# Altium PCB display.PcbDoc (part 5 of 5)
Units mm, origin at the board's own origin, x right, y up, seen from the top; angles counter-clockwise.
Board outline 150 x 85 mm, 4 copper layers (Component Side, Inner, GND1, Bottom Layer), stack 1.669 mm thick; 347 components, 347 nets, 1334 pads, 795 vias.
Unrouted connection lines stored in the file: 15.
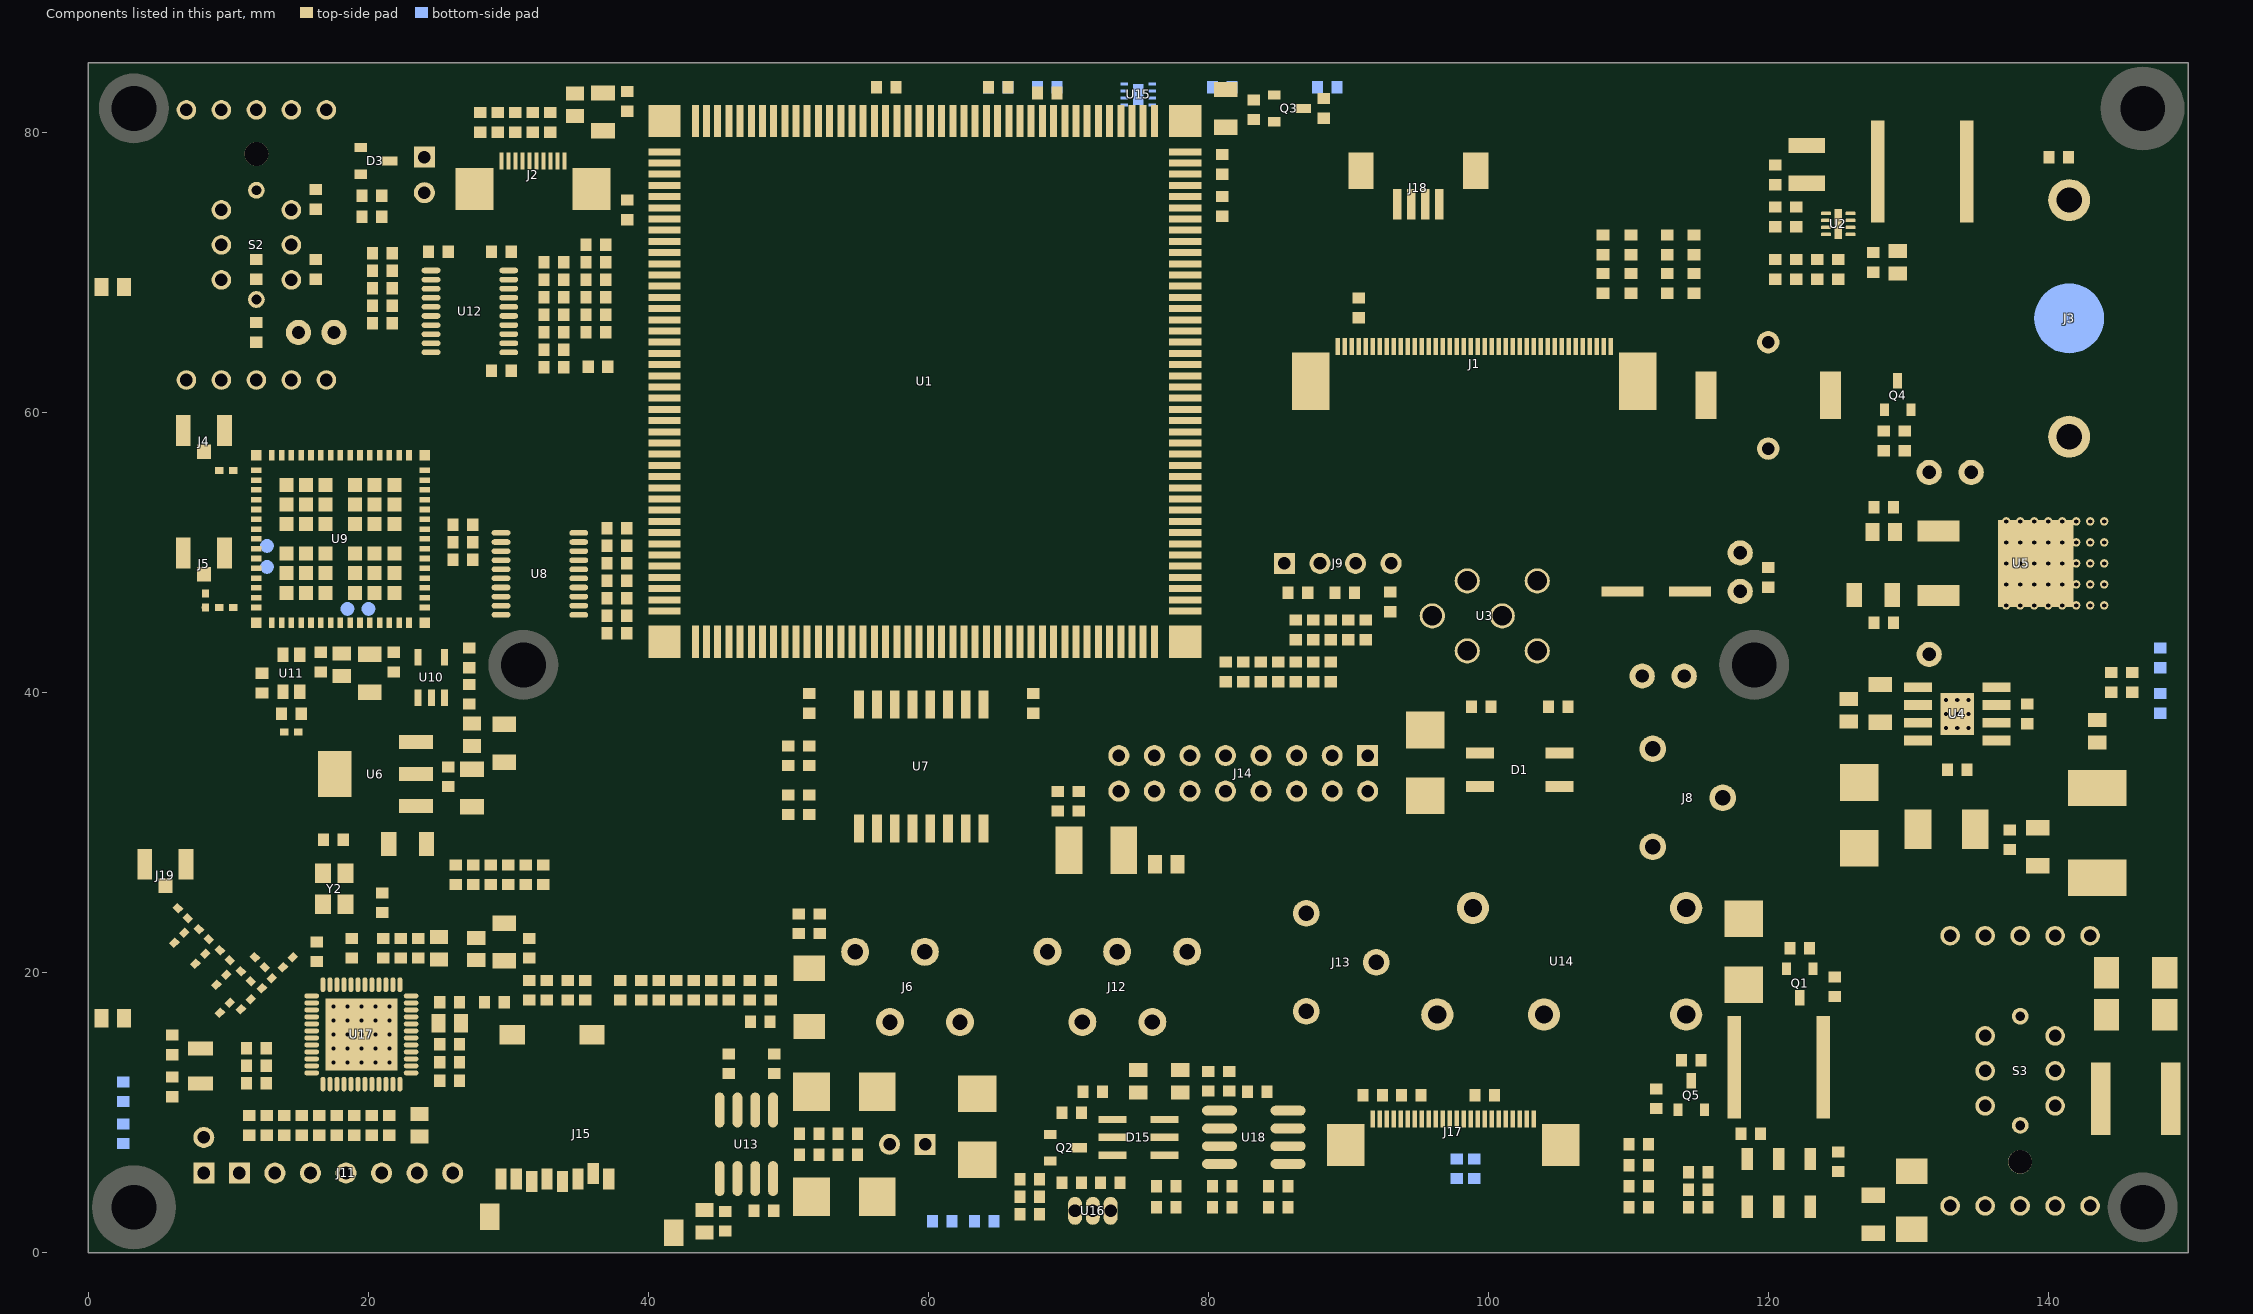
[diagram p7: the components of this part, seen from the top]

## Silkscreen, mask and mechanical layers (free items; w line width, h text height) (continued)
PCB_Note:
  drawing of 3970 lines, arcs and shapes, not listed
  text "Layer" at 165.921,159 h3
  text "Name" at 179.077,159 h3
  text "Material" at 204.997,159 h3
  text "Thickness" at 228.911,159 h3
  text "Constant" at 246.727,159 h3
  text "Board Layer Stack" at 264.324,159 h3
  text "Board Layer Stack" at 294.376,159 h3
  text "1" at 165.921,153 h3
  text "Top Overlay" at 179.077,153 h3
  text "2" at 165.921,147 h3
  text "Top Solder" at 179.077,147 h3
  text "Solder Resist" at 204.997,147 h3
  text "0,010mm" at 228.911,147 h3
  text "3,5" at 246.727,147 h3
  text "3" at 165.921,141 h3
  text "Component Side" at 179.077,141 h3
  text "Copper" at 204.997,141 h3
  text "0,036mm" at 228.911,141 h3
  text "4" at 165.921,135 h3
  text "Dielectric 1" at 179.077,135 h3
  text "IT180A 2x7628" at 204.997,135 h3
  text "0,408mm" at 228.911,135 h3
  text "4,2" at 246.727,135 h3
  text "5" at 165.921,129 h3
  text "Inner" at 179.077,129 h3
  text "Copper" at 204.997,129 h3
  text "0,036mm" at 228.911,129 h3
  text "6" at 165.921,123 h3
  text "Dielectric 4" at 179.077,123 h3
  text "IT180A FR-4" at 204.997,123 h3
  text "0,710mm" at 228.911,123 h3
  text "4,2" at 246.727,123 h3
  text "7" at 165.921,117 h3
  text "GND1" at 179.077,117 h3
  text "Copper" at 204.997,117 h3
  text "0,036mm" at 228.911,117 h3
  text "8" at 165.921,111 h3
  text "Dielectric 5" at 179.077,111 h3
  text "IT180A 2x7628" at 204.997,111 h3
  text "0,408mm" at 228.911,111 h3
  text "4,2" at 246.727,111 h3
  text "9" at 165.921,105 h3
  text "Bottom Layer" at 179.077,105 h3
  text "Copper" at 204.997,105 h3
  text "0,036mm" at 228.911,105 h3
  text "10" at 165.921,99 h3
  text "Solder Side" at 179.077,99 h3
  text "Solder Resist" at 204.997,99 h3
  text "0,010mm" at 228.911,99 h3
  text "3,5" at 246.727,99 h3
  text "11" at 165.921,93 h3
  text "Bottom Overlay" at 179.077,93 h3
  text "Impedance control:" at 163.2,91.2 h5
  text "* Top 90ohm +/-10% differential signal /     for traces width=0.33-0.35mm" at 167.352,78.766 h5
  text "* Top 10ohm +/-10% differential signal /     for traces width=0.23-0.25mm" at 167.552,65.466 h5
  text "PCB SLOT" at 28.5,56.75 h1.5
  text "PCB SLOT" at 92.75,54 h1.5
  text "PCB SLOT" at 94.5,20.25 h1.5
  text "PCB SLOT" at 97.75,12 h1.5
  text "PCB SLOT" at 92,2 h1.5
  text "DB Home" at 246.713,-65.376 h2
  text "Board Name" at 260.5,-69.5 h3
  text "Display" at 276.5,-69.5 h3
  text "Author" at 260.5,-72.5 h3
  text "Daniele Basile <asterix@develer.com>" at 276.5,-72.5 h3
  text "Date" at 260.5,-75.5 h3
  text "06/09/2016" at 276.5,-75.5 h3
  text "System" at 247.712,-76.376 h2
  text "Revision" at 260.5,-78.5 h3
  text "A" at 276.5,-78.5 h3
  text "A3" at 319,-78.5 h3
Titleblock_top:
  drawing of 3598 lines, arcs and shapes, not listed
  text "DB Home" at 246.713,-65.376 h2
  text "Board Name" at 260.5,-69.5 h3
  text "Display" at 276.5,-69.5 h3
  text "Author" at 260.5,-72.5 h3
  text "Daniele Basile <asterix@develer.com>" at 276.5,-72.5 h3
  text "Date" at 260.5,-75.5 h3
  text "06/09/2016" at 276.5,-75.5 h3
  text "System" at 247.712,-76.376 h2
  text "Revision" at 260.5,-78.5 h3
  text "A" at 276.5,-78.5 h3
  text "A3" at 319,-78.5 h3
Titleblock_bot:
  drawing of 3574 lines, arcs and shapes, not listed
  text "DB Home" at -2.713,-65.376 h2
  text "Display" at -32.5,-69.5 h3
  text "Board Name" at -16.5,-69.5 h3
  text "Daniele Basile <asterix@develer.com>" at -32.5,-72.5 h3
  text "Author" at -16.5,-72.5 h3
  text "06/09/2016" at -32.5,-75.5 h3
  text "Date" at -16.5,-75.5 h3
  text "System" at -3.712,-76.376 h2
  text "A3" at -75,-78.5 h3
  text "A" at -32.5,-78.5 h3
  text "Revision" at -16.5,-78.5 h3
Drawing2:
  drawing of 16605 lines, arcs and shapes, not listed
Top Place:
  circle w0.254: c103.98,17.015 r6
  circle w0.254: c87,24.25 r6
  circle w0.254: c87,17.25 r6
  circle w0.15: c96.36,17.015 r6
  circle w0.254: c98.9,24.635 r6

## Dimensions
150,85 to 150,0 on Drawing
0,85 to 150,85 on Drawing
38,63 to 25,63 on Drawing
29,38.7 to 34.5,38.7 on Drawing
127.75,75.75 to 88.75,30.5 on Drawing

## Text inside footprints (layer, text, board x,y; h text height)
C11: Top Note "+" at 108.3,47.85 h2; Top Overlay "+" at 108.1,50.45 h0.9 r270
C17: Top Note "+" at 143.7,34.65 h1 r270; Top Note "+" at 143,34.65 h1 r270; Top Assembly "+" at 145,34.4 h1 r270; Top Overlay "+" at 140.9,31.4 h1 r270
D1: Top Assembly "+" at 98.25,37.75 h2.5 r270; Top Assembly "-" at 98.5,32.25 h2.5 r270; Top Overlay "~" at 106,36.75 h2.5 r90; Top Overlay "~" at 106.25,31.25 h2.5 r90; Top Overlay "+" at 98.25,37.75 h2.5 r270; Top Overlay "-" at 98.5,32.25 h2.5 r270
D2: Top Note "K" at 95.2,39.15 h1 r270
D6: Top Assembly "K" at 144.3,41.625 h0.5 r90
D9: Top Assembly "K" at 51.3,36.375 h0.5 r90
D10: Top Assembly "K" at 51.3,32.875 h0.5 r90
D11: Top Note "K" at 58.15,4.3 h1 r180
D12: Top Note "K" at 63.8,4.85 h1 r90
D13: Top Note "K" at 58.15,11.8 h1 r180
D14: Top Note "K" at 117.95,25.65 h1 r270
D16: Bottom Assembly "K" at 89.375,83.05 h0.5 r180
D17: Bottom Assembly "K" at 61.875,2.05 h0.5 r180
D18: Bottom Assembly "K" at 2.7,9.375 h0.5 r270
D19: Bottom Assembly "K" at 147.8,41.625 h0.5 r90
Designator1: Top Overlay "DB Home" at 36.05,37.075 h1.7; Top Overlay "System" at 36.9,27.725 h1.7
Designator2: Top Solder "D" at 133.25,67.275 h1.5; Top Solder "B" at 133.25,64.475 h1.5
Designator10: Bottom Overlay "DB Home" at 141.2,35.075 h1.7; Bottom Overlay "System" at 140.35,25.725 h1.7
Designator20: Solder Side "D" at 120.25,7.275 h1.5; Solder Side "B" at 120.25,4.475 h1.5
DZ1: Top Note "K" at 126.2,35.4 h1 r270
J1: Top Overlay "40" at 109.414,64.621 h1.3; Top Overlay "1" at 88.205,64.621 h1.3
J2: Top Overlay "10" at 34.544,77.771 h0.9; Top Overlay "1" at 28.575,77.771 h0.9
J3: Bottom Note "-" at 140.5,65.75 h2 r90
J6: Top Overlay "1" at 54.846,23.779 h1.4 r180; Top Overlay "1" at 54.846,27.379 h1.4 r180; Top Overlay "4" at 63.623,18.39 h1.4 r180; Top Overlay "2" at 58.546,18.279 h1.4 r180; Top Overlay "3" at 61.046,23.379 h1.4 r180
J8: Top Assembly "1" at 108.6,28.35 h2 r270; Top Overlay "1" at 108,30.75 h2 r270; Top Overlay "1" at 107.95,28.9 h0.8 r270
J12: Top Overlay "5" at 70.148,23.39 h1.4 r180; Top Overlay "3" at 74.785,23.39 h1.4 r180; Top Overlay "2" at 77.484,18.61 h1.4 r180; Top Overlay "4" at 70.278,18.61 h1.4 r180; Top Overlay "1" at 78.75,27.5 h1.4 r180; Top Overlay "1" at 77.899,23.807 h1.4 r180
J13: Top Assembly "1" at 83.85,16.6 h2 r270; Top Overlay "1" at 83.2,17.15 h0.8 r270; Top Overlay "1" at 83.25,19 h2 r270
J14: Drawing "1" at 92.5,36.25 h1 r180; Drawing "2" at 92.5,33.75 h1 r180; Drawing "16" at 73,33.95 h1 r180; Drawing "15" at 72.9,36.45 h1 r180; Top Overlay "2" at 91.25,30.25 h1.5; Top Overlay "1" at 91.5,38.25 h1.5 r180; Top Overlay "16" at 71,34.75 h1.5; Top Overlay "15" at 71,36.5 h1.5
J17: Top Overlay "24" at 103.75,9.75 h1.5; Top Overlay "1" at 90,9.75 h1.5
J18: Top Overlay "4" at 92.75,75.1 h0.9 r180; Top Overlay "1" at 97.5,75.1 h0.9 r180
U1: Top Note "1" at 41.65,80.75 h2 r90; Top Assembly "1" at 41.65,80.75 h2 r90; Top Overlay "127" at 75.25,83.35 h1.4; Top Overlay "168" at 42.35,83.45 h1.4; Top Overlay "146" at 60.25,83.35 h1.4; Top Overlay "126" at 82.25,77.75 h1.4; Top Overlay "85" at 80.85,46.45 h1.4 r270; Top Overlay "104" at 80.85,61.75 h1.4 r270; Top Overlay "84" at 76.85,41.162 h1.4 r180; Top Overlay "43" at 43.95,41.25 h1.4 r180; Top Overlay "62" at 58.25,41.75 h1.4 r180; Top Overlay "20" at 38.65,62.75 h1.4 r90; Top Overlay "develboard" at 82.25,75 h5 r270; Top Overlay "1" at 38.662,78.45 h1.4 r90; Top Overlay "42" at 39,40.75 h1.4 r90
U6: Top Note "1" at 24.5,32.7 h1 r180
U7: Top Assembly "A Side" at 60.3,28.85 h1.5 r180; Top Assembly "B Side" at 58.3,40.65 h1.5; Top Overlay "B Side" at 59.25,40.75 h1.5; Top Overlay "A Side" at 60.3,28.85 h1.5 r180